# KiCad board CPU2908C.kicad_pcb (continued)
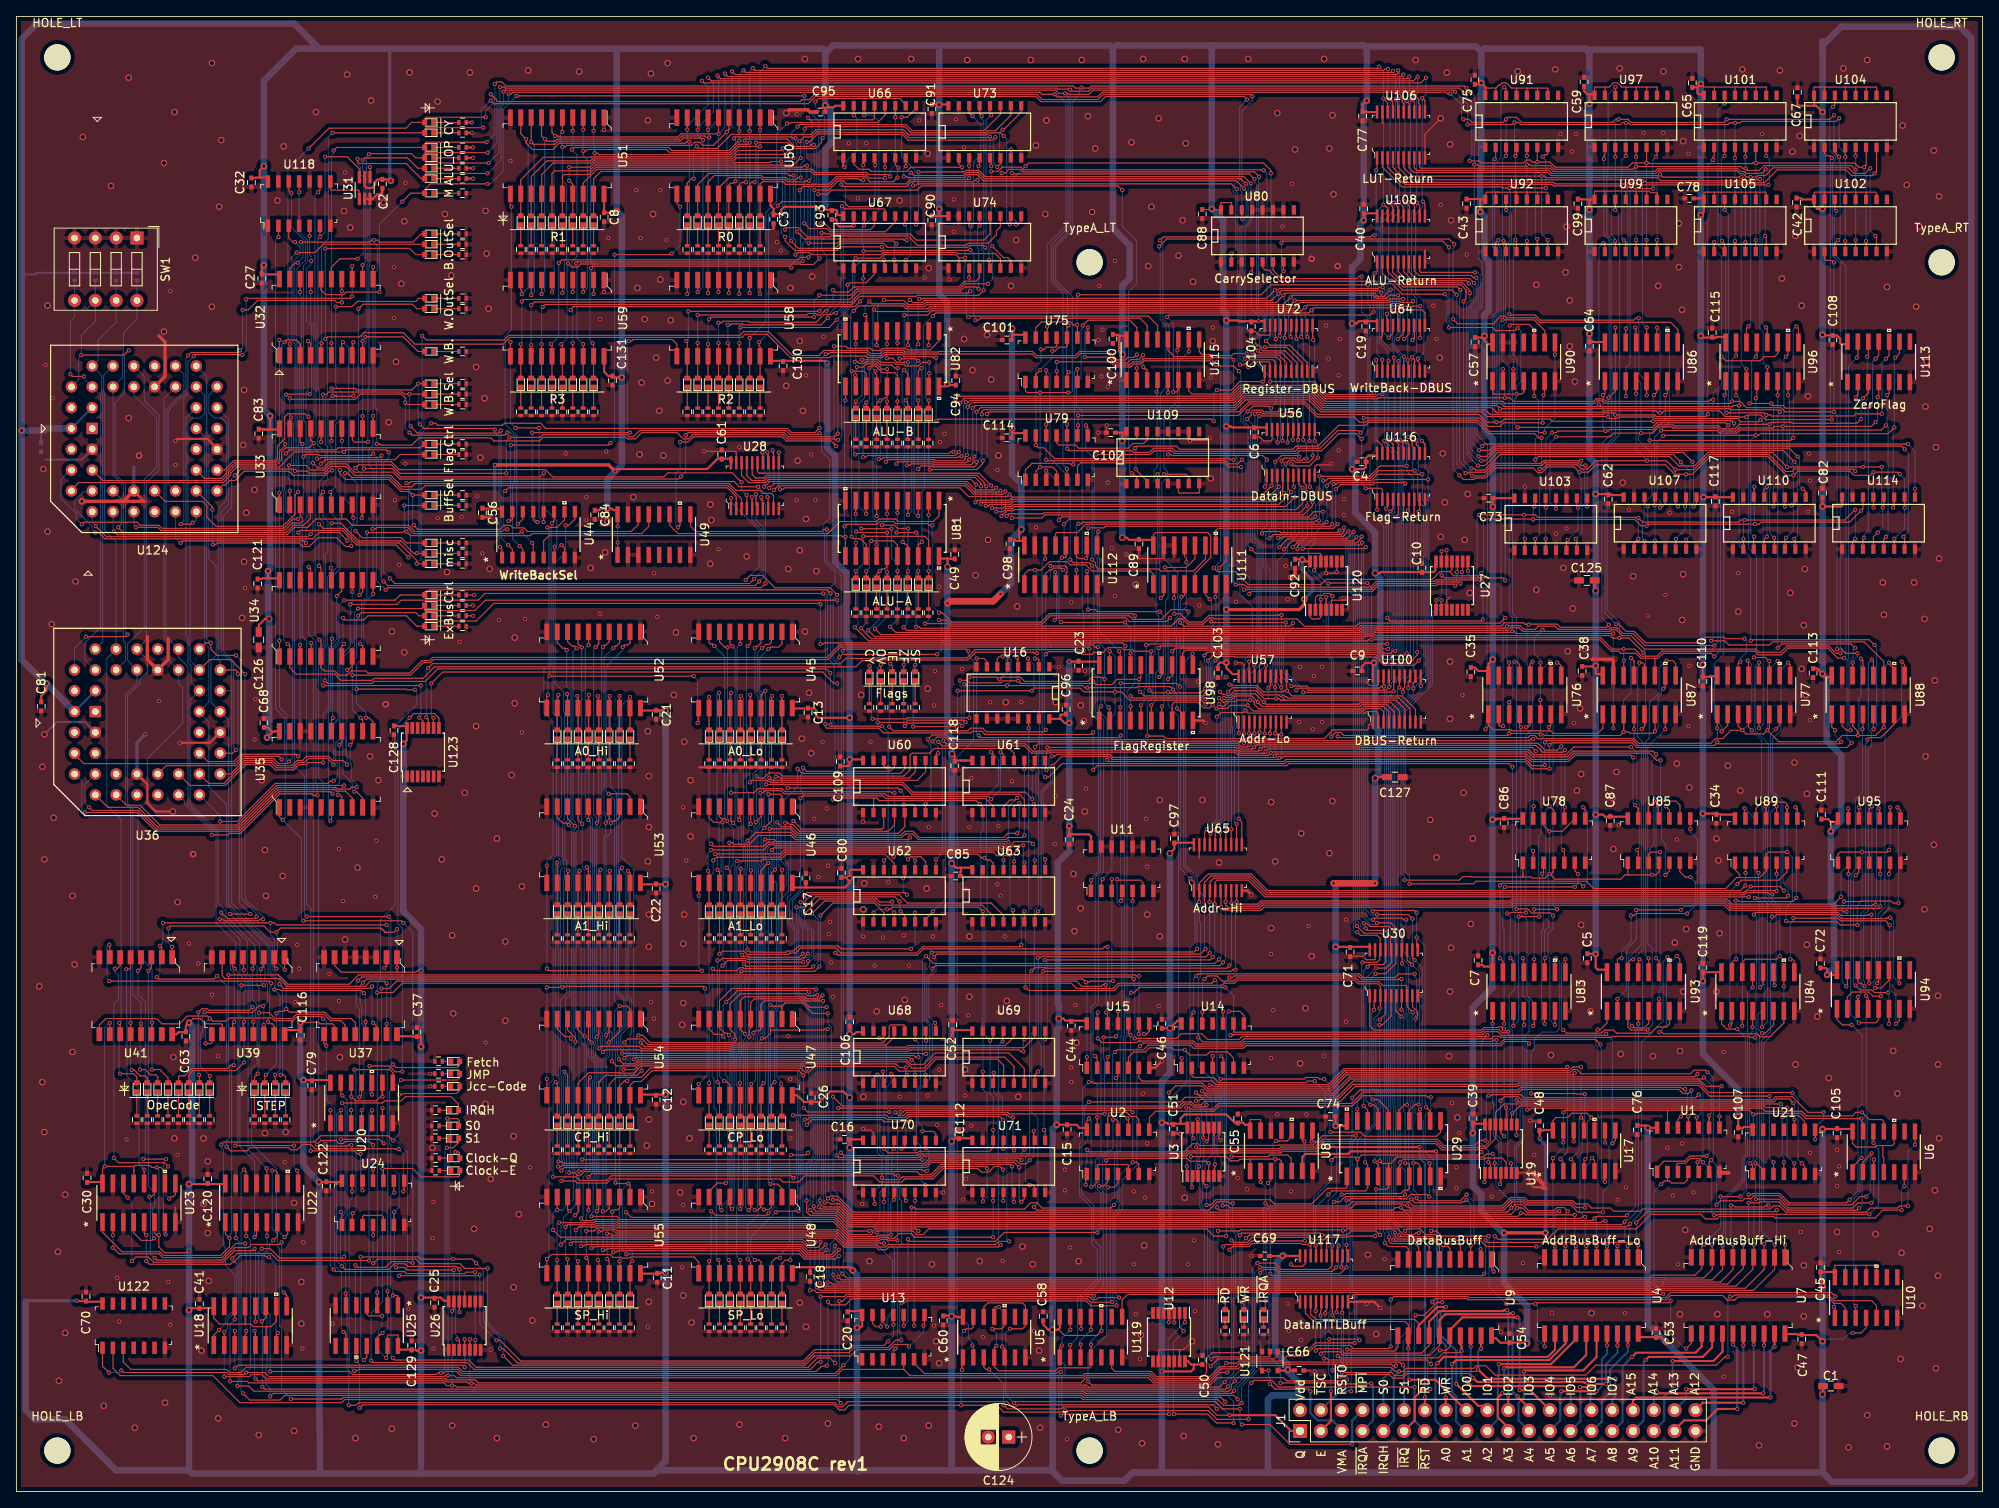
[diagram p0: board, top side]
## Routing (per net, layer and track width the routed paths; a pad name or vN(x,y) marks a point on that pad's centre or on a via; arc(x,y) is an arc through that point) (continued)
/A0: length 27
  Top w0.25: U4.12 187.8,17.31 186.93,16.44 174.23,16.44 v1(173.47,15.68)
  Bottom w0.25: v1(173.47,15.68) 173.22,15.43 173.22,8.69 173.53,8.37 ; 173.53,8.37 174.36,7.55 ; 173.53,8.37 174.48,7.42
/A1: length 24.7
  Top w0.25: v1(175.25,15.55) 175.75,16.06 187.1,16.06 189.07,18.03 U4.13
  Bottom w0.25: 175.74,8.56 175.74,11.63 175.25,12.12 v1(175.25,15.55) ; 175.75,8.56 176.77,7.55
/A2: length 19.7
  Top w0.25: v1(180.95,15.56) 187.32,15.56 190.34,18.58 U4.14
  Bottom w0.25: 179.69,7.68 180.83,8.82 180.83,14.03 180.95,14.14 v1(180.95,15.56)
/A3: length 21
  Top w0.25: 181.83,8.06 180.82,9.07 180.82,11.47 v1(181.34,11.99) ; U4.15 191.61,16.68 190.1,15.17 181.7,15.17 v1(181.59,15.05)
  Bottom w0.25: v1(181.34,11.99) 181.59,12.24 v1(181.59,15.05)
/A4: length 20.3
  Top w0.25: 192.88,19.28 192.88,16.42 191.25,14.79 184.12,14.79 v1(183.99,14.66)
  Bottom w0.25: 184.52,7.55 183.36,8.71 183.36,10.85 183.99,11.49 v1(183.99,14.66)
/A5: length 18.9
  Top w0.25: v1(188.56,12.25) v1(192.88,12.25) ; 194.15,19.15 v1(194.15,17.84)
  Bottom w0.25: 192.9,12.25 193.52,12.87 193.52,16.17 194.15,16.8 v1(194.15,17.84) ; 188.44,9.09 188.44,10.96 ; 188.44,9.09 188.44,11.77 188.56,11.89 v1(188.56,12.25) ; 188.44,9.09 188.44,8.68 ; 188.44,8.68 187.31,7.55 ; 188.44,8.68 188.44,8.69
/A6: length 16
  Top w0.127: 193.03,13.14 193.15,13.14
  Top w0.25: 195.42,19.15 v1(195.42,17.84) ; v1(194.03,13.14) 192.86,13.14 192.48,12.75 v1(190.85,12.75)
  Bottom w0.25: 190.91,8.63 190.91,12.69 v1(190.85,12.75) ; 190.91,8.63 190.91,8.61 189.72,7.42 ; 190.91,8.63 190.85,8.56 ; v1(195.42,17.84) 195.44,17.82 195.44,16.95 194.03,15.53 v1(194.03,13.14)
/A7: length 13.7
  Top w0.25: 196.69,19.15 v1(196.69,17.84)
  Bottom w0.25: 192.39,7.42 193.52,8.55 193.52,8.56 ; v1(196.69,17.84) 196.71,17.82 196.71,17.07 194.53,14.9 194.53,12.12 193.52,11.1 193.52,8.56 ; 193.52,8.56 193.39,8.44
/A8: length 20.4
  Top w0.25: 205.71,19.15 205.71,17.71 204.95,16.95 197.73,16.95 v1(197.22,16.44)
  Bottom w0.25: 194.93,7.42 196.06,8.55 196.06,15.28 v1(197.22,16.44)
/A9: length 19.6
  Top w0.25: v1(198.87,16.06) 199.25,16.44 205.84,16.44 206.98,17.58 206.98,19.15
  Bottom w0.25: J1.33 198.61,8.69 198.61,15.8 v1(198.87,16.06)
/A10: length 18.8
  Top w0.25: 206.23,15.93 v1(202.17,15.93) ; 206.23,15.93 207.12,15.93 208.27,17.07 208.25,17.09 208.25,19.15 ; 206.23,15.93 206.87,15.93
  Bottom w0.25: J1.35 201.14,8.67 201.14,11.6 202.17,12.63 v1(202.17,15.93)
/A11: length 17.4
  Top w0.25: 209.52,19.15 v1(209.52,17.96) ; 202.79,7.93 203.55,8.69 206.22,8.69 206.3,8.77 206.32,8.77 207.64,10.09 v1(210.04,10.09)
  Bottom w0.25: v1(210.04,10.09) 210.04,17.44 v1(209.52,17.96)
/A12: length 13.8
  Top w0.25: 210.79,19.15 v1(210.79,17.84) ; 205.46,10.47 205.84,10.85 v1(210.79,10.85)
  Bottom w0.25: v1(210.79,17.84) v1(210.79,10.85)
/A13: length 18.2
  Top w0.25: v1(212.19,12.5) 203.81,12.5 v1(203.81,12.5) ; 212.06,19.15 v1(212.06,17.96)
  Bottom w0.25: v1(212.19,12.5) 212.06,12.63 v1(212.06,17.96) ; v1(203.81,12.5) 203.81,11.34 J1.38
/A14: length 22.5
  Top w0.25: v1(200.26,12.12) 200.39,11.99 v1(213.2,11.99) ; 213.33,19.15 v1(213.33,17.84)
  Bottom w0.25: 199.88,9.96 199.88,11.74 v1(200.26,12.12) ; v1(213.2,11.99) 213.33,12.12 v1(213.33,17.84)
/A15: length 25.3
  Top w0.25: 197.33,10.6 197.33,11.1 197.71,11.49 v1(214.09,11.49) ; 214.6,19.15 v1(214.6,17.71)
  Bottom w0.25: v1(214.6,17.71) 214.11,17.22 214.11,11.5 v1(214.09,11.49)
/clkE: length 85.1
  Top w0.127: 146.14,42.25 154.06,42.25 154.1,42.29 158.3,42.29 159.43,43.42 163.47,43.42 v1(163.48,43.43) ; 146.14,42.25 146.18,42.29 146.18,44.41 ; 146.14,42.25 144.43,42.25 144.22,42.46 143.57,42.46 142.57,41.46 130.92,41.46 v1(130.67,41.71) ; 146.18,43.6 146.18,43.41 ; J1.3 159.88,8.05 ; v1(160.26,18.6) 163.82,18.6 v1(163.94,18.47) ; v1(130.53,37.44) 130.53,38.27 130.67,38.41
  Top w0.25: v1(160.45,12.25) 160.45,8.63 J1.3 ; 159.88,8.05 159.24,7.42
  Bottom w0.127: v1(160.26,18.6) 160.26,17.96 160.13,17.84 160.13,14.41 160.45,14.08 v1(160.45,12.25) ; 130.67,40.57 130.67,40.06 ; 130.67,40.06 130.53,39.92 v1(130.53,37.44) ; 130.67,40.06 v1(130.67,41.71) ; v1(163.48,43.43) 163.48,43.08 163.05,42.65 163.05,24.69 163.62,24.13 163.62,23.36 163.61,23.34 163.61,18.81 v1(163.94,18.47)
/clkQ: length 97.2
  Top w0.127: v1(133.21,37.14) 133.97,37.14 134.46,37.63 U2.4 ; v1(120.51,10.54) 120.95,10.09 127.56,10.09 127.8,10.33 145.54,10.33 146.54,9.33 v1(148.1,9.33) ; 118.1,16.69 118.1,15.17 118.35,14.91 v1(118.73,14.91) ; U3.5 v1(145.53,40.06) 145.28,40.31 143.24,40.31 142.88,40.67 133.27,40.67 v1(133.02,40.42)
  Top w0.25: J1.1 155.59,7.4 153.66,9.33 v1(148.1,9.33)
  Bottom w0.127: v1(133.21,37.14) 133.02,37.33 v1(133.02,40.42) ; v1(120.51,10.54) 120.51,13.14 v1(118.73,14.91) ; v1(148.1,9.33) 146.54,10.88 146.54,16.57 146.07,17.04 146.07,37.99 145.53,38.54 v1(145.53,40.06)
/D0: length 262.9
  Top w0.127: U117.18 157.98,30.02 v1(157.85,30.15) 156.96,30.15 156.83,30.28 150.86,30.28 150.48,29.9 148.45,29.9 v1(148.07,29.52) ; v1(160.51,40.44) 160.9,40.82 163.44,40.82 v1(163.69,40.57) ; v1(165.72,58.79) 165.72,59.82 165.83,59.94 ; v1(26.34,28.44) 26.98,29.07 31.06,29.07 31.94,28.19 v1(43.04,28.19) ; 163.67,38.98 163.44,39.22 ; v1(163.69,40.57) 164.2,41.08 178.42,41.08 v1(178.8,41.46) ; v1(163.69,40.57) 163.67,40.55 U29.2 ; U20.5 43.4,46.52 v1(43.42,46.54) ; v1(147.81,14.54) 146.89,14.54 145.61,13.26 138.8,13.26 138.16,13.9 130.58,13.9 129.95,13.26 56.37,13.26 55.99,13.64 52.55,13.64 52.42,13.77 30.47,13.77 29.96,14.28 28.68,14.28 28.43,14.02 v1(25.39,14.02) ; v1(25.37,19.49) 25.37,18.6 ; v1(179.18,37.77) 179.25,37.84 179.25,38.89
  Bottom w0.127: v1(25.39,14.02) 25.37,14.04 v1(25.37,19.49) 25.77,19.88 25.77,21.01 26.91,22.15 26.91,27.87 v1(26.34,28.44) ; v1(178.8,41.46) 179.18,41.08 v1(179.18,37.77) ; v1(165.72,58.79) 165.43,58.5 165.43,49.11 165.97,48.57 165.97,47.54 165.71,47.28 165.71,44.87 163.69,42.84 v1(163.69,40.57) ; v1(157.85,30.15) 158.34,30.65 158.34,35.85 160.51,38.03 v1(160.51,40.44) ; v1(148.07,29.52) 148.32,29.27 148.32,15.04 v1(147.81,14.54) ; v1(43.04,28.19) 43.04,46.16 v1(43.42,46.54)
/D1: length 277.4
  Top w0.127: v1(148.32,30.66) 148.57,30.41 150.23,30.41 150.85,31.04 157.62,31.04 158.34,30.31 158.34,30.28 v1(158.59,30.03) 158.63,29.99 U117.17 ; v1(164.63,40.19) 164.94,39.87 164.94,39.04 ; U26.5 v1(55.36,18.6) ; U16.14 123.54,93.16 v1(123.56,93.15) ; 166.48,61.14 166.48,61.65 166.17,61.96 163.8,61.96 163.35,62.41 149.08,62.41 148.7,62.03 147.43,62.03 147.18,61.78 134.61,61.78 133.97,61.14 123.56,61.14 v1(123.18,61.52) ; v1(147.49,13.39) 146.86,12.75 130.84,12.75 130.58,13.01 56.08,13.01 55.89,13.2 v1(55.53,13.2) 55.18,13.2 55,13.38 52.45,13.38 52.31,13.52 29.45,13.52 v1(29.2,13.77) ; 164.94,38.28 164.94,37.01 164.62,36.69 160.57,36.69 v1(160.13,36.25) ; v1(166.41,58.98) 166.49,59.07 U30.3 ; U18.5 29.18,19.5 v1(29.07,19.61)
  Bottom w0.127: v1(55.36,18.6) 55.36,13.38 v1(55.53,13.2) ; v1(158.59,30.03) 158.59,34.71 v1(160.13,36.25) ; v1(123.56,93.15) 123.56,70.68 123.18,70.3 v1(123.18,61.52) ; v1(148.32,30.66) 148.57,30.41 148.57,14.47 v1(147.49,13.39) ; v1(164.63,40.19) 164.63,43.42 165.97,44.76 165.97,47.14 166.23,47.4 166.23,48.68 165.69,49.22 165.69,57.68 166.41,58.4 v1(166.41,58.98) ; v1(29.2,13.77) 29.07,13.9 v1(29.07,19.61)
/D2: length 314.3
  Top w0.127: 167.1,60.32 167.1,58.26 v1(166.42,57.59) ; v1(26.66,21.01) 26.66,23.15 26.64,23.17 ; U26.13 53.41,22.26 v1(53.18,22.03) ; U16.2 124.81,101.54 124.7,101.66 v1(124.32,101.66) ; v1(124.19,34.73) 124.57,34.35 145.56,34.35 146.57,35.36 147.9,35.36 148.1,35.17 v1(148.45,35.17) ; v1(147.88,12.82) 147.56,12.5 130.73,12.5 130.48,12.75 55.98,12.75 55.98,12.76 53.74,12.76 53.55,12.94 v1(53.2,12.94) 52.53,12.94 52.21,13.26 28.34,13.26 28.15,13.46 v1(26.06,13.46) ; v1(159.23,30.28) 159.28,30.22 U117.16 ; U29.4 166.21,39.87 v1(165.78,40.31) ; v1(166.47,31.3) 165.96,31.8 162.93,31.8 162.42,31.3 v1(159.35,31.3) 159.11,31.55 149.59,31.55 v1(149.34,31.3)
  Bottom w0.127: v1(159.23,30.28) 159.35,30.41 v1(159.35,31.3) ; v1(166.42,57.59) 166.07,57.59 165.94,57.46 165.94,49.32 166.48,48.78 166.48,47.21 166.22,46.95 166.22,41.1 165.78,40.66 v1(165.78,40.31) 166.28,39.81 166.28,37.46 ; v1(124.19,34.73) 124.7,35.23 124.7,45.53 123.94,46.28 123.94,55.94 124.45,56.44 124.45,63.68 124.24,63.89 124.24,70.99 124.74,71.49 124.74,90.1 124.87,90.23 124.87,101.1 v1(124.32,101.66) ; v1(26.06,13.46) 26.06,20.42 v1(26.66,21.01) ; 166.28,37.46 166.28,37.71 ; 166.28,37.46 166.47,37.27 v1(166.47,31.3) ; v1(147.88,12.82) 148.13,13.07 148.13,13.58 149.97,15.42 149.97,23.55 149.34,24.19 v1(149.34,31.3) 148.45,32.19 v1(148.45,35.17) ; v1(53.18,22.03) 53.18,12.96 v1(53.2,12.94)
/D3: length 256.9
  Top w0.127: 167.48,39.82 U29.5 167.48,37.12 167.25,36.88 v1(165.96,36.88) ; 167.48,39.82 167.48,40.04 ; 167.48,39.82 167.48,39.69 ; 159.31,30.72 158.29,30.72 157.72,31.29 150.48,31.29 v1(150.1,30.92) ; 159.31,30.72 159.56,30.72 159.88,31.04 162.55,31.04 162.67,31.17 v1(165.85,31.17) ; 159.31,30.72 159.44,30.72 ; 167.48,40.04 167.74,40.04 ; 167.48,40.04 167.01,40.04 ; 167.74,40.04 168.51,40.82 179.07,40.82 179.45,41.2 v1(180.2,41.2) ; 167.74,40.04 167.01,40.04 ; 167.01,40.04 166.7,40.04 166.58,40.16 ; v1(29.96,20.76) 30.45,21.25 30.45,22.03 ; v1(166.41,40.34) 166.58,40.16 ; 166.58,40.16 166.68,40.06 ; 159.75,30.92 159.93,30.73 U117.15 ; v1(30.03,12.77) 30.3,12.5 55.87,12.5 55.87,12.5 130.37,12.5 130.63,12.25 147.96,12.25 148.32,12.61 148.32,13.07 v1(148.7,13.46) ; v1(29.96,29.65) 30.97,29.65 32.12,28.5 39.86,28.5 v1(39.99,28.63) ; U20.13 39.59,48.52 v1(39.8,48.31) ; 180.44,38.92 v1(180.44,40.06) ; v1(166.38,56.95) 166.73,56.95 167.8,58.02 167.8,60.06
  Bottom w0.127: v1(148.7,13.46) 150.35,15.1 150.35,23.68 149.59,24.44 149.59,30.41 v1(150.1,30.92) ; v1(39.8,48.31) 40.37,47.74 40.37,33.71 40.12,33.46 40.12,28.76 v1(39.99,28.63) ; v1(166.41,40.34) 166.41,40.69 166.47,40.76 166.47,46.85 166.74,47.11 166.74,48.93 166.38,49.29 v1(166.38,56.95) ; v1(29.96,29.65) 29.58,29.26 29.58,21.14 v1(29.96,20.76) 30.03,20.69 v1(30.03,12.77) ; v1(165.85,31.17) 165.96,31.28 v1(165.96,36.88) ; v1(180.44,40.06) 180.44,40.97 v1(180.2,41.2)
/D4: length 225.8
  Top w0.127: v1(26.98,12.89) 28.35,12.89 29,12.25 55.77,12.25 55.77,12.25 130.03,12.25 ; v1(169.51,36.25) 169.27,36 162.19,36 161.55,35.36 v1(160.84,35.36) ; 130.27,12.25 130.03,12.25 ; 130.27,12.25 130.03,12.25 ; 130.27,12.25 130.52,11.99 131.3,11.99 148.32,11.99 v1(148.64,12.31) ; 26.77,32.19 26.78,32.17 v1(26.78,30.92) ; 168.37,60 168.37,58.66 v1(169.07,57.97) ; U29.6 168.75,39.66 168.9,39.81 v1(168.9,40.16) 169.3,40.56 179.18,40.56 179.31,40.69 181.34,40.69 181.85,40.19 181.85,39.17 ; v1(160.62,30.03) 160.58,29.99 U117.14 160.58,27.56 160.13,27.11 154.42,27.11 153.63,27.89 v1(151.48,27.89)
  Bottom w0.127: v1(26.78,30.92) 27.16,30.53 27.16,13.43 26.98,13.24 v1(26.98,12.89) ; v1(160.84,35.36) 160.62,35.15 v1(160.62,30.03) ; v1(151.48,27.89) 150.86,27.27 150.86,14.96 148.64,12.75 v1(148.64,12.31) ; v1(169.51,36.25) 169.51,39.19 169.29,39.41 169.29,39.43 168.9,39.81 v1(168.9,40.16) 168.9,57.8 v1(169.07,57.97)
/D5: length 241.4
  Top w0.127: U117.13 161.23,29.87 v1(161.39,30.03) ; v1(148.07,62.73) 148.42,62.73 148.62,62.92 163.82,62.92 164.26,62.47 168.65,62.47 168.71,62.54 v1(169.07,62.54) ; v1(169.07,58.82) 169.07,60.12 169.13,60.19 ; v1(30.59,31.17) 30.59,32.55 30.58,32.57 ; v1(151.82,27.36) 153.76,27.36 154.27,26.85 160.6,26.85 v1(161.11,27.36) ; 170.04,38.28 170.04,37.01 169.8,36.77 169.39,36.77 168.99,36.38 162.26,36.38 162.14,36.25 v1(161.78,36.25) ; v1(169.52,40.06) 169.91,40.06 170.02,39.95 U29.7 ; v1(30.97,11.61) 31.36,11.99 55.66,11.99 55.66,11.99 130.16,11.99 130.42,11.74 148.59,11.74 v1(149.08,11.25) ; U14.10 147.29,58.59 v1(147.31,58.6)
  Bottom w0.127: v1(30.97,11.61) 30.97,12.6 30.45,13.12 30.45,15.04 30.59,15.18 30.59,21.26 29.96,21.9 29.96,28.88 30.59,29.52 v1(30.59,31.17) ; v1(169.52,40.06) 169.52,46.22 169.3,46.44 169.3,57.55 169.51,57.76 169.51,58.18 169.32,58.37 169.32,58.57 v1(169.07,58.82) 169.07,58.82 v1(169.07,62.54) ; v1(147.31,58.6) 147.06,58.85 147.06,61.71 v1(148.07,62.73) ; v1(161.11,27.36) 161.39,27.64 v1(161.39,30.03) 161.28,30.14 161.28,35.74 v1(161.78,36.25) ; v1(151.82,27.36) 151.12,26.66 151.12,14.79 149.08,12.76 149.08,11.61 149.08,11.6 v1(149.08,11.25)
/D6: length 266.1
  Top w0.127: 169.77,60.13 169.77,59.16 v1(170.44,58.49) ; v1(171.18,31.54) 170.82,31.54 170.64,31.36 169.3,31.36 168.61,32.06 162.46,32.06 162.26,31.86 v1(161.91,31.86) 161.56,31.86 161.49,31.93 149.45,31.93 149.32,31.81 v1(146.67,31.81) ; v1(27.78,39.3) 28.04,39.04 U22.14 ; v1(147.56,10.98) 147.05,11.48 130.27,11.48 130.01,11.74 55.55,11.74 55.55,11.74 32.74,11.74 32.18,11.17 28.49,11.17 v1(27.67,11.99) ; v1(161.73,27.36) 161.73,28.21 161.9,28.38 ; U29.8 171.29,39.82 170.99,40.12 v1(170.53,40.12) ; v1(145.02,62.54) 145.4,62.92 146.54,62.92 147.18,62.28 148.6,62.28 148.98,62.67 163.45,62.67 163.9,62.22 166.3,62.22 166.75,61.76 169.55,61.76 169.74,61.56 U30.8 ; v1(144.77,58.47) 144.75,58.46 U14.12
  Bottom w0.127: v1(161.91,31.86) 161.91,27.54 v1(161.73,27.36) ; v1(144.77,58.47) 144.77,62.28 v1(145.02,62.54) ; v1(171.18,31.54) 171.43,31.79 171.43,35.94 170.53,36.83 v1(170.53,40.12) 170.53,40.48 170.46,40.55 170.46,47.56 170.33,47.68 170.33,58.02 170.44,58.13 v1(170.44,58.49) ; v1(27.78,39.3) 27.42,38.94 27.42,12.24 v1(27.67,11.99) ; v1(146.67,31.81) 146.67,18.85 146.8,18.72 146.8,11.74 v1(147.56,10.98)
/D7: length 261
  Top w0.127: 170.42,60.01 170.42,59.16 171.03,58.55 171.03,57.96 v1(170.78,57.71) ; U14.13 143.48,58.27 v1(143.68,58.47) ; v1(172.45,36) 172.2,36.25 170.16,36.25 169.66,35.74 162.91,35.74 162.71,35.55 v1(162.36,35.55) ; U29.9 172.56,40 v1(172.5,40.06) ; 31.85,37.52 31.85,38.93 31.61,39.17 v1(31.23,39.17) ; v1(149.53,10.81) 149.26,10.54 147.35,10.54 146.65,11.23 130.16,11.23 129.91,11.48 39.86,11.48 39.68,11.3 v1(33.5,11.3) ; 162.55,29.26 162.36,29.45 v1(162.36,30.09) ; v1(162.36,27.36) 161.6,26.6 154.16,26.6 153.66,27.11 152.22,27.11 v1(151.82,26.71) ; v1(170.67,63.17) 168.73,63.17 168.28,62.73 164.37,62.73 163.92,63.17 144.26,63.17 v1(144,62.92)
  Bottom w0.127: 162.4,30.26 162.36,30.31 v1(162.36,35.55) ; 162.4,30.26 162.36,30.22 v1(162.36,27.36) ; 162.4,30.26 162.4,30.14 v1(162.36,30.09) ; v1(33.5,11.3) 33.5,11.37 32.37,12.5 32.37,19.99 32.12,20.25 32.12,29.65 31.86,29.91 31.86,31.42 31.23,32.06 v1(31.23,39.17) ; v1(149.53,10.81) 149.53,12.82 151.82,15.11 v1(151.82,26.71) ; v1(170.67,63.17) 170.67,62.81 170.89,62.6 170.89,58.17 170.78,58.07 v1(170.78,57.71) 170.78,57.36 170.71,57.28 170.71,46.25 171.71,45.24 171.71,40.85 v1(172.5,40.06) 172.5,36.04 v1(172.45,36) ; v1(143.68,58.47) 143.68,62.6 v1(144,62.92)
/DataOutEnable: length 62.4
  Top w0.127: v1(180.45,31.17) 180.83,30.79 186.93,30.79 188.2,32.06 197.72,32.06 199.5,33.84 205.6,33.84 206.17,33.27 207.57,33.27 207.88,33.58 214.49,33.58 214.68,33.4 226.88,33.4 227.82,34.34 v1(230.11,34.34) ; 180.06,28.25 180.06,27.12 v1(180.33,26.85) ; v1(230.43,37.27) 230.43,38.71 230.47,38.76
  Bottom w0.127: v1(180.33,26.85) 180.33,30.66 180.45,30.79 v1(180.45,31.17) ; v1(230.11,34.34) 230.11,36.94 v1(230.43,37.27)
/E: length 314.6
  Top w0.127: U6.11 227.94,45.16 227.7,45.39 226.17,45.39 v1(225.28,46.28) 224.52,46.28 224.08,45.84 218.49,45.84 217.92,46.41 213.47,46.41 213.09,46.79 184.93,46.79 184.74,46.6 v1(184.39,46.6) ; U2.3 133.19,37.76 132.71,37.27 v1(132.16,37.27) ; U24.10 44.8,39.31 v1(44.69,39.43) 48.37,39.43 49.39,38.41 53.96,38.41 54.09,38.54 54.09,39.04 ; v1(224.52,22.66) 224.51,22.65 U10.3 ; v1(43.29,15.99) 43.54,15.74 55.04,15.74 55.87,14.91 96.92,14.91 97.81,15.8 v1(98.16,15.8) ; v1(134.1,53.65) 134.35,53.9 137.58,53.9 138.15,54.47 141.33,54.47 143.31,54.47 143.68,54.1 149.79,54.1 150.1,54.41 181.22,54.41 181.22,54.43 181.7,54.92 184.39,54.92 v1(184.64,54.66) ; U2.9 137,45.41 136.64,45.78 136.02,45.78 135.52,46.28 133.71,46.28 v1(133.46,46.03) 133.21,45.78 133.21,44.5 ; v1(131.18,19.74) 131.18,21.01 ; v1(129.91,17.96) 129.91,16.56 ; 133.21,38.66 133.01,38.47 ; v1(98.16,23.8) 101.08,23.8 101.34,24.06 131.3,24.06 v1(131.5,23.86)
  Bottom w0.127: v1(184.39,46.6) 184.39,53.65 184.39,53.65 184.39,54.42 v1(184.64,54.66) ; v1(129.91,17.96) 129.78,18.09 129.78,18.34 v1(131.18,19.74) 131.18,22.91 131.5,23.24 v1(131.5,23.86) 132.65,25.01 132.65,36.69 132.16,37.17 v1(132.16,37.27) 132.16,40.57 133.21,41.62 133.21,45.78 v1(133.46,46.03) 133.78,46.35 133.78,53.34 v1(134.1,53.65) ; v1(98.16,23.8) 98.16,23.8 v1(98.16,15.8) ; v1(43.29,15.99) 43.29,21.77 44.69,23.17 v1(44.69,39.43) ; v1(225.28,46.28) 225.66,45.91 225.66,40.48 225.03,39.86 225.03,36.53 224.27,35.77 224.27,22.91 v1(224.52,22.66)
/EA0: length 228.7
  Top w0.127: v1(91.79,102.8) 92.04,103.05 93.06,103.05 93.44,103.43 93.44,104.7 ; v1(184.05,56.95) 183.99,57.01 U83.4 ; U45.2 93.44,104.21 ; v1(92.05,59.36) 92.17,59.24 93.44,59.24 ; 93.44,58.09 93.44,58.98 ; 93.44,58.98 93.44,59.11 ; 93.44,58.98 93.44,59.24 ; 93.44,36.76 93.44,37.01 92.93,37.52 v1(92.05,37.52) ; 93.57,59.36 93.82,59.62 ; 93.82,59.62 93.44,59.24 ; 93.82,59.62 95.92,59.62 97.19,58.35 v1(99.03,58.35) ; 93.44,84.38 93.44,84.91 93.26,85.09 v1(91.8,85.09) ; v1(188.33,34.22) 187.97,34.22 187.78,34.02 184.46,34.02 183.88,34.6 v1(183.19,34.6) 182.43,33.84 182.08,33.84 182.08,33.84 168.66,33.84 151.94,33.84 151.94,33.84 102.1,33.84 100.32,35.62 v1(99.68,35.62) ; 187.8,28.58 v1(187.8,29.9)
  Bottom w0.127: v1(91.79,102.8) 90.73,101.74 90.73,97.76 91.03,97.46 91.03,86.05 91.55,85.53 91.55,85.34 v1(91.8,85.09) 91.8,81.65 92.47,80.98 92.47,79.24 91.68,78.45 91.68,77.91 92.22,77.37 92.22,76.49 91.8,76.07 91.8,59.61 v1(92.05,59.36) 91.79,59.11 91.79,37.78 v1(92.05,37.52) ; v1(187.8,29.9) 187.8,33.69 v1(188.33,34.22) ; v1(99.68,35.62) 99.68,36.12 99.16,36.65 99.16,48.63 99.47,48.94 99.47,56.65 99.05,57.08 99.05,57.98 99.03,57.99 v1(99.03,58.35) ; v1(183.19,34.6) 182.87,34.92 182.87,42.09 183.54,42.77 183.54,46.96 183.8,47.22 183.8,56.7 v1(184.05,56.95)
/EA1: length 230.2
  Top w0.127: v1(91.25,34.41) 91.86,34.41 92.17,34.73 U48.3 ; v1(99.03,56.44) 98.68,56.44 98.55,56.32 92.05,56.32 ; 92.05,56.32 92.05,55.92 91.43,55.3 v1(90.99,55.3) ; 92.05,56.32 92.05,56.82 ; v1(91.03,102.92) 91.47,103.37 91.85,103.37 92.17,103.69 92.17,104.7 ; v1(91.28,80.95) 92.17,81.84 92.17,82.73 ; v1(189.34,34.22) 188.9,34.66 188.05,34.66 187.67,34.28 184.58,34.28 183.82,35.04 182.93,35.04 v1(182.49,34.6) 181.98,34.09 168.77,34.09 152.05,34.09 152.05,34.09 102.2,34.09 100.24,36.06 99.35,36.06 v1(99.05,35.76) 99.09,35.72 99.09,35.64 ; 189.07,28.58 v1(189.07,29.97) ; U83.1 v1(180.18,57.08)
  Bottom w0.127: v1(182.49,34.6) 182.49,35.36 180.58,37.27 180.58,39.55 180.94,39.92 180.94,42.76 180.33,43.38 180.33,47.3 180.18,47.44 v1(180.18,57.08) ; v1(99.03,56.44) 98.78,56.19 98.78,36.03 v1(99.05,35.76) ; v1(189.07,29.97) 189.07,33.95 v1(189.34,34.22) ; v1(91.25,34.41) 90.74,34.92 90.74,55.05 v1(90.99,55.3) 91.12,55.43 91.12,76.43 90.9,76.64 90.9,80.57 v1(91.28,80.95) 91.28,85.44 90.77,85.94 90.77,97.36 90.48,97.66 90.48,102.37 v1(91.03,102.92)
/EA2: length 243
  Top w0.127: v1(89.95,55.98) 90.2,56.23 90.71,56.23 90.88,56.4 90.88,56.93 ; v1(183.88,65.08) 183.99,64.97 U83.13 ; v1(98.66,35.27) 99.24,35.27 99.41,35.11 100.47,35.11 101.99,33.58 151.84,33.58 ; 90.9,82.86 90.9,82.35 v1(90.27,81.72) ; 151.84,33.58 168.56,33.58 182.36,33.58 ; 182.36,33.58 183.25,33.58 v1(183.63,33.96) 184.01,33.96 184.21,33.77 v1(190.22,33.77) ; v1(90.14,102.92) 90.39,103.17 90.52,103.17 90.9,103.56 U45.4 ; 90.9,35.62 90.9,34.73 90.52,34.34 v1(90.14,34.34) ; v1(98.9,59.11) 96.79,59.11 96.03,59.87 91.3,59.87 90.9,59.47 90.9,58.22 ; 190.34,28.58 v1(190.34,29.97)
  Bottom w0.127: v1(98.66,35.27) 98.52,35.41 98.52,46.32 98.52,46.52 98.52,58.74 v1(98.9,59.11) ; v1(190.22,33.77) 190.22,30.09 v1(190.34,29.97) ; v1(90.14,34.34) 89.25,35.23 89.25,54.49 89.95,55.2 v1(89.95,55.98) 90.35,56.38 90.35,76.11 90.01,76.45 90.01,81.11 90.27,81.36 v1(90.27,81.72) 90.01,81.98 90.01,86.81 89.9,86.92 89.9,87.09 89.89,87.09 89.89,87.55 90.52,88.18 90.52,97.1 90.14,97.48 v1(90.14,102.92) ; v1(183.63,33.96) 183.63,35.62 183.12,36.12 183.12,41.99 183.88,42.74 183.88,46.91 184.14,47.17 184.14,55.62 184.64,56.13 184.64,59.75 183.88,60.51 v1(183.88,65.08)
/EA3: length 256.2
  Top w0.127: v1(191.49,33.52) 191.13,33.52 190.95,33.33 182.59,33.33 182.59,33.33 168.45,33.33 151.73,33.33 ; v1(89.38,34.34) 89.63,34.6 U48.5 ; 102.48,33.33 151.73,33.33 ; 102.48,33.33 102.09,33.33 ; 102.48,33.33 101.97,33.33 ; v1(89.25,103.18) 89.63,103.56 89.63,104.06 ; 102.09,33.33 102.35,33.33 ; 102.09,33.33 101.97,33.33 ; U46.5 v1(89.63,81.46) ; v1(191.43,48.51) 190.4,48.51 190.35,48.57 v1(184.9,48.57) ; 101.97,33.33 101.89,33.33 100.49,34.73 98.55,34.73 98.07,35.21 v1(98.07,35.53) ; 89.63,58.22 89.63,59.67 90.08,60.13 96.13,60.13 96.38,59.87 v1(98.45,59.87) ; v1(191.61,29.97) 191.61,28.58 ; v1(89.47,55.51) 89.47,56.37 89.63,56.54 U47.5 ; v1(187.95,65.08) 187.8,64.94 U83.10
  Bottom w0.127: v1(98.07,35.53) 98.07,35.88 98.27,36.08 98.27,59.33 98.45,59.52 v1(98.45,59.87) ; v1(184.9,48.57) 184.9,53.63 185.28,54.01 185.28,55.17 186.17,56.06 187.95,56.06 188.32,56.44 188.32,64.7 v1(187.95,65.08) ; v1(191.43,48.51) 191.43,45.38 191.13,45.07 191.13,41.46 190.87,41.2 190.87,36.01 190.81,35.95 190.81,34.19 v1(191.49,33.52) 191.49,30.09 v1(191.61,29.97) ; v1(89.63,81.46) 89.38,81.21 89.38,80.95 ; v1(89.38,34.34) 89,34.73 89,54.79 89.38,55.17 89.38,62.03 90.1,62.75 90.1,76.01 89.76,76.35 89.76,80.57 89.38,80.95 ; 89.38,80.95 89.38,85.27 89.12,85.53 89.12,103.05 v1(89.25,103.18) ; 89.38,55.68 89.38,55.59 v1(89.47,55.51)
/EA4: length 244.7
  Top w0.127: v1(98.39,60.54) 97.97,60.13 96.56,60.13 96.31,60.38 88.87,60.38 88.36,59.87 88.36,57.59 ; v1(197.98,57.08) 197.96,57.09 U93.4 ; U45.6 v1(88.36,103.43) ; 88.36,57.08 88.36,56.42 v1(88.94,55.84) ; v1(97.94,34.72) 98.18,34.47 100.38,34.47 101.78,33.08 151.63,33.08 ; U46.6 88.36,82.44 88.27,82.35 88.26,82.35 88.23,82.32 v1(88.23,81.97) ; v1(88.36,34.47) 88.36,35.11 ; 151.63,33.07 182.69,33.07 182.69,33.08 192.38,33.08 v1(192.63,33.33) 192.88,33.58 196.46,33.58 v1(196.58,33.7) ; 192.88,28.58 v1(192.88,29.97)
  Bottom w0.127: v1(98.39,60.54) 98.01,60.17 98.01,40.34 97.63,39.95 97.63,35.29 97.94,34.99 v1(97.94,34.72) ; v1(196.58,33.7) 197.09,34.21 197.09,34.22 197.6,34.73 197.6,56.09 197.98,56.48 v1(197.98,57.08) ; v1(88.36,103.43) 87.98,103.05 87.98,82.22 v1(88.23,81.97) 88.48,81.72 88.48,79.18 88.99,78.67 88.99,76.1 88.83,75.94 88.83,75.35 88.74,75.27 88.74,65.99 89.5,65.23 89.5,62.67 88.94,62.1 v1(88.94,55.84) 88.94,55.25 88.74,55.05 88.74,34.85 v1(88.36,34.47) ; v1(192.88,29.97) 192.88,33.07 v1(192.63,33.33)
/EA5: length 245.4
  Top w0.127: 87.09,83.37 87.22,83.24 87.22,81.84 v1(87.47,81.59) ; v1(97.76,60.57) 97.41,60.57 97.35,60.51 96.53,60.51 96.3,60.74 88.35,60.74 87.09,59.49 87.09,58.35 ; v1(97.32,34.82) 97.32,34.47 97.57,34.22 100.28,34.22 101.68,32.82 151.52,32.82 ; v1(193.97,33.01) 193.61,33.01 193.43,32.82 182.8,32.82 182.8,32.82 ; 151.52,32.82 182.23,32.82 182.99,32.82 ; U45.7 87.09,103.45 v1(87.41,103.13) ; v1(87.35,34.47) 87.09,34.73 U48.7 ; v1(87.73,55.17) 87.73,55.81 87.09,56.44 87.09,57.08 ; v1(193.03,56.38) 193.34,56.38 194.15,57.19 194.15,58.65 ; 194.15,28.58 v1(194.15,29.9)
  Bottom w0.127: v1(87.41,103.13) 87.73,102.81 87.73,81.84 v1(87.47,81.59) 88.11,80.95 88.11,79.2 88.74,78.57 88.74,77.02 87.95,76.23 87.95,55.4 v1(87.73,55.17) 87.73,54.82 87.6,54.69 87.6,34.73 v1(87.35,34.47) ; 97.76,41.71 97.76,60.22 v1(97.76,60.57) ; 97.76,41.71 97.76,40.44 97.26,39.94 97.26,35.37 97.25,35.36 97.25,34.89 ; 97.76,41.71 97.76,41.84 ; v1(194.15,29.9) 194.15,32.82 v1(193.97,33.01) 193.03,33.95 193.03,54.24 192.78,54.49 192.78,56.13 v1(193.03,56.38)
/EA6: length 260.6
  Top w0.127: v1(198.11,64.95) 197.96,64.81 U93.13 ; v1(86.08,34.34) 85.95,34.34 85.82,34.47 85.82,35.87 ; 85.82,83.49 85.82,82.37 86.1,82.09 86.53,82.09 v1(86.78,81.84) ; v1(86.98,55.7) 86.73,55.95 86.44,55.95 85.82,56.57 85.82,57.46 ; 151.42,32.57 101.57,32.57 100.17,33.96 97.28,33.96 v1(96.9,34.34) ; v1(86.79,103.02) 86.48,103.02 85.82,103.69 U45.8 ; v1(196.33,32.95) 195.95,32.57 151.42,32.57 ; 85.82,58.22 85.82,59.87 87.35,61.4 97.38,61.4 97.51,61.27 v1(97.63,61.27) ; 195.42,28.58 v1(195.42,29.97)
  Bottom w0.127: v1(198.11,64.95) 198.49,64.57 198.49,56.57 197.98,56.06 197.98,34.36 196.82,33.2 196.58,33.2 v1(196.33,32.95) 196.33,30.87 v1(195.42,29.97) ; 86.78,82.04 v1(86.78,81.84) ; 86.78,82.04 86.78,81.65 87.53,80.89 87.53,79.35 87.47,79.29 87.47,76.47 87.23,76.23 87.23,55.95 v1(86.98,55.7) ; 86.78,82.04 86.79,82.05 v1(86.79,103.02) ; v1(86.98,55.7) 87.09,55.7 87.11,55.68 ; v1(86.98,55.7) 86.98,54.91 87.09,54.8 87.09,35.87 86.08,34.85 v1(86.08,34.34) ; v1(97.63,61.27) 97.26,60.89 97.26,60.42 97.51,60.17 97.51,40.72 96.9,40.11 96.9,35.05 96.65,34.8 96.65,34.59 v1(96.9,34.34)
/EA7: length 257.6
  Top w0.127: 84.55,104.96 84.55,104.58 ; 84.55,104.58 84.55,103.56 84.68,103.43 84.94,103.43 v1(85.19,103.18) ; 84.55,104.58 84.55,104.83 ; v1(196.96,32.69) 196.58,32.31 151.31,32.31 101.42,32.31 100.02,33.71 96.87,33.71 96.46,34.12 v1(96.46,35.52) ; 201.79,64.06 201.79,64.95 v1(201.53,65.21) ; v1(86.18,81.65) 85.13,81.65 84.55,82.22 84.55,83.49 ; v1(86.64,59.75) 88.04,61.14 96.56,61.14 v1(96.74,60.96) ; 196.69,28.58 v1(196.69,29.97) ; v1(86.27,55.54) 86.02,55.79 85.2,55.79 84.55,56.44 84.55,56.95 ; U48.9 84.55,36.65 85.55,37.65 v1(86.58,37.65)